# KiCad board RefleXion Grid.kicad_pcb (continued)
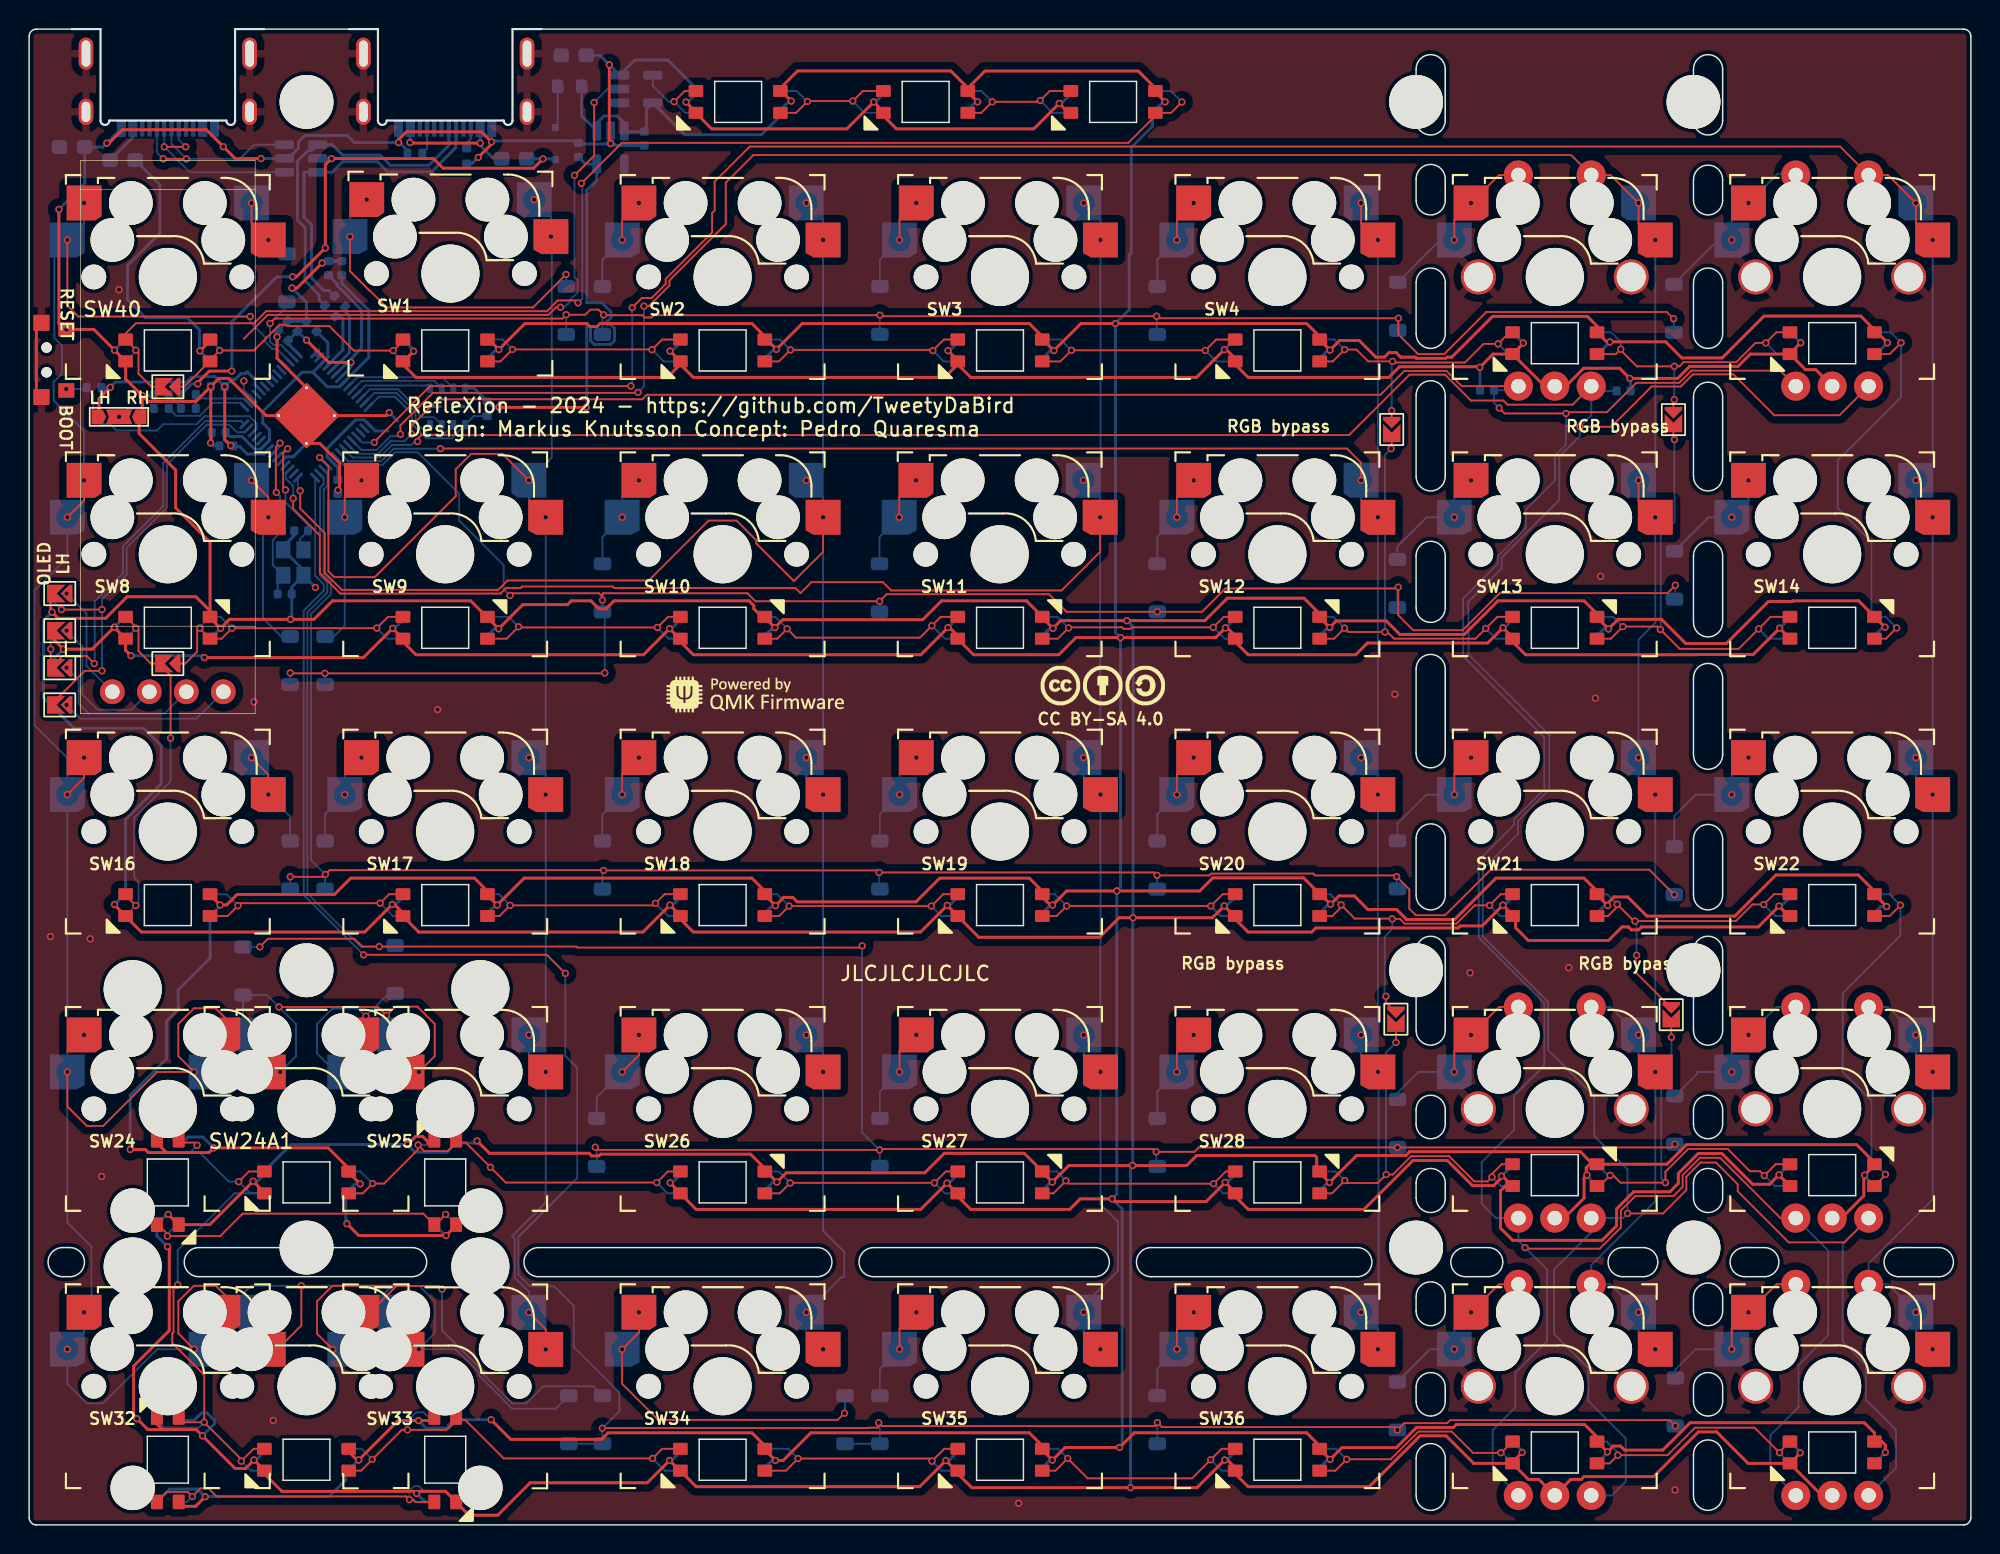
[diagram p0: board, top side]
## Routing (per net, layer and track width the routed paths; a pad name or vN(x,y) marks a point on that pad's centre or on a via; arc(x,y) is an arc through that point) (continued)
Row2: length 134.8
  Top w0.127: v1(112.98,43.29) 111.27,45.01 100.37,45.01 97.24,41.88 95.23,41.88 94.78,42.33 94.78,43.66 v1(93.91,44.53) 93.82,44.62 88.31,44.62 88.19,44.74 81.17,44.74 81.05,44.62 v1(77.46,44.62) 77.26,44.82 v1(58.37,44.82) 58.23,44.96 v1(39.45,44.96) 39.43,44.98 20.63,44.98 v1(20.34,44.69) 20.17,44.52 v1(17.93,44.52)
  Bottom w0.127: D16.1 17.92,44.51 v1(17.93,44.52) ; D21.1 93.91,43.75 v1(93.91,44.53) ; v1(39.45,44.96) 39.38,44.88 D18.1 ; D20.1 77.46,43.69 v1(77.46,44.62) ; U2.12 20.48,72.22 20.48,71.39 20.23,71.13 20.23,65.34 20.73,64.84 20.73,63.95 19.36,62.58 19.36,45.67 v1(20.34,44.69) 20.33,44.67 D17.1 ; D19.1 58.37,43.73 v1(58.37,44.82)
Row3: length 173.1
  Top w0.127: v1(57.21,39.78) 57.09,39.66 37.66,39.66 37.59,39.73 v1(24.04,39.73) 22.87,39.73 22.34,40.26 16.4,40.26 v1(15.84,39.71) ; v1(38.88,25.95) 39.07,25.76 v1(58.4,25.76) 58.46,25.82 77.21,25.82 v1(77.4,25.63) 80.02,25.63 80.32,25.93 v1(93.97,25.93) 112.79,25.93 v1(113.02,26.16)
  Bottom w0.127: v1(38.88,25.95) 38.98,25.86 D26.1 ; U2.13 20.23,71.91 20.23,71.49 19.98,71.24 19.98,65.24 20.48,64.74 20.48,64.06 19.11,62.69 19.11,43.38 22.76,39.73 v1(24.04,39.73) 25.06,39.73 D25.1 ; v1(15.84,39.71) 15.84,39.7 D24.1 ; v1(77.4,25.63) 77.4,24.7 D28.1 ; D27.1 58.43,25.74 v1(58.4,25.76) 57.19,26.97 57.19,39.76 v1(57.21,39.78)
Row4: length 170.9
  Top w0.127: v1(36.82,37.89) 35.55,39.16 v1(22.97,39.16) ; v1(113.05,6.8) 112.65,7.2 97.59,7.2 97.38,6.99 94.43,6.99 v1(93.96,6.52) 93.76,6.72 77.79,6.72 v1(77.48,7.03) 77.48,6.94 77.33,6.79 58.58,6.79 58.35,7.02 v1(58.34,7.02) 58.34,6.76 58.26,6.68 57.67,6.68 57.65,6.66 39.38,6.66 v1(39.36,6.64)
  Bottom w0.127: D36.1 77.47,7.02 v1(77.48,7.03) ; v1(58.34,7.02) 58.43,6.94 D35.1 D34.1 ; U2.14 19.64,65.21 20.23,64.63 20.23,64.16 18.85,62.79 18.85,43.28 v1(22.97,39.16) ; v1(36.82,37.89) 36.82,32.21 37.63,31.4 37.63,23.82 33.6,19.78 33.6,17.2 34.41,16.39 36.05,16.39 37.4,15.04 37.4,12.23 40.53,9.1 40.53,7.81 v1(39.36,6.64) 39.36,5.59 D33.1 37.07,5.58 D32.1
RX: length 13.1
  Top w0.127: v1(10.75,94.67) v1(9.28,94.67)
  Bottom w0.127: v1(10.75,94.67) 10.28,95.15 J2.B6 ; J2.A6 9.28,94.68 v1(9.28,94.67) 11.03,92.92 U3.1
SCL: length 28.7
  Top w0.127: v1(1.48,60.16) JP7.1 2.3,59.69 3.95,59.69 v1(4.47,59.17)
  Bottom w0.127: JP2.1 v1(1.48,60.16) ; v1(4.47,59.17) 4.5,59.2 4.5,63.44 6.45,65.38 6.45,67.23 9.21,69.99 9.21,72.93 12.11,75.83 14.56,75.83 U2.28
SDA: length 31.7
  Top w0.127: v1(5,58.67) 3.82,58.67 JP8.1 ; v1(2.22,62.88) v1(5,62.88)
  Bottom w0.127: JP1.1 1.48,63.62 v1(2.22,62.88) ; U2.27 14.79,75.06 14.27,75.06 13.75,75.58 12.21,75.58 9.46,72.83 9.46,69.88 6.7,67.12 6.7,65.28 5,63.58 v1(5,62.88) v1(5,58.67)
TX: length 13.5
  Top w0.127: v1(9.21,93.84) v1(10.8,93.84)
  Bottom w0.127: J2.A7 9.78,94.87 v1(10.8,93.84) 14.48,93.84 15.46,94.82 U3.3 ; J2.B7 8.78,94.28 v1(9.21,93.84)
Net-(C11-Pad1): length 5
  Bottom w0.127: C11.1 17.07,64.86 Y1.3 16.73,65.94 16.73,67.66 R6.2
Net-(D1-A): length 23
  Top w0.127: v1(22.03,88.5) 22.03,86.12 23.37,84.79 23.4,84.79 24.43,83.76 24.56,83.63 34.6,83.63 v1(36.87,85.9)
  Bottom w0.127: v1(22.03,88.5) 22.03,89.89 v1(23.18,91.04) ; v1(36.87,85.9) 36.88,85.89 D1.2
Net-(D2-A): length 6.8
  Top w0.127: v1(40.73,88.27) 40.73,89.66 v1(41.88,90.81)
  Bottom w0.127: v1(40.73,88.27) 39.38,86.92 D2.2
Net-(D3-A): length 6.8
  Top w0.127: v1(60.93,90.81) 59.78,89.66 v1(59.78,88.27)
  Bottom w0.127: D3.2 58.43,86.92 v1(59.78,88.27)
Net-(D4-A): length 6.8
  Top w0.127: v1(79.97,90.81) 78.83,89.66 v1(78.83,88.27)
  Bottom w0.127: D4.2 77.47,86.92 v1(78.83,88.27)
Net-(D5-A): length 12.1
  Top w0.127: SW5.1 100.95,92.73 v1(99.03,90.81) 97.88,89.66 v1(97.88,88.27)
  Bottom w0.127: v1(97.88,88.27) 96.9,88.27 D5.2
Net-(D6-A): length 12.3
  Bottom w0.127: 121.33,92.81 120.08,92.81 v1(118.08,90.81) 116.93,89.66 v1(116.93,88.27) 116,88.27 D6.2
Net-(D8-A): length 12.5
  Top w0.127: v1(16.43,69.22) 16.43,70.61 v1(15.28,71.76)
  Bottom w0.127: v1(16.43,69.22) 16.06,68.85 16.06,62.29 17.32,61.03 D8.2
Net-(D9-A): length 12.1
  Top w0.127: v1(22.82,71.76) 21.67,70.61 v1(21.67,69.22)
  Bottom w0.127: v1(21.67,69.22) 21.67,61.77 20.93,61.03 D9.2
Net-(D10-A): length 6.8
  Bottom w0.127: D10.2 39.38,67.87 v1(40.73,69.22) 40.73,70.61 v1(41.88,71.76)
Net-(D11-A): length 6.8
  Top w0.127: v1(59.75,69.22) 59.75,70.61 v1(60.9,71.76)
  Bottom w0.127: v1(59.75,69.22) 58.4,67.87 D11.2
Net-(D12-A): length 6.8
  Top w0.127: v1(79.97,71.76) 78.83,70.61 v1(78.83,69.22)
  Bottom w0.127: D12.2 77.47,67.87 v1(78.83,69.22)
Net-(D13-A): length 8.7
  Bottom w0.127: D13.2 93.96,67.21 95.99,69.24 96.02,69.22 v1(97.88,69.22) 97.88,70.61 v1(99.03,71.76)
Net-(D14-A): length 7.9
  Bottom w0.127: v1(118.08,71.76) 118.08,70.37 v1(116.93,69.22) 115.32,69.22 D14.2
Net-(D16-A): length 6.8
  Top w0.127: v1(15.28,52.71) 16.43,51.56 v1(16.43,50.17)
  Bottom w0.127: D16.2 17.92,48.67 v1(16.43,50.17)
Net-(D17-A): length 6.8
  Bottom w0.127: v1(22.83,52.71) 21.68,51.56 v1(21.68,50.17) 20.33,48.82 D17.2
Net-(D18-A): length 6.8
  Top w0.127: v1(41.88,52.71) 40.73,51.56 v1(40.73,50.17)
  Bottom w0.127: v1(40.73,50.17) 39.38,48.82 D18.2
Net-(D19-A): length 6.8
  Bottom w0.127: v1(60.93,52.71) 59.78,51.56 v1(59.78,50.17) 58.43,48.82 D19.2
Net-(D20-A): length 6.8
  Top w0.127: v1(79.97,52.71) 78.83,51.56 v1(78.83,50.17)
  Bottom w0.127: v1(78.83,50.17) 77.47,48.82 D20.2
Net-(D21-A): length 8.9
  Top w0.127: v1(99.03,52.71) 97.88,51.56 v1(97.88,50.17)
  Bottom w0.127: D21.2 93.97,48.19 95.95,50.17 v1(97.88,50.17)
Net-(D22-A): length 9.7
  Bottom w0.127: D22.2 112.98,48.7 114.45,50.17 v1(116.93,50.17) 116.93,51.56 v1(118.08,52.71)
Net-(D24-A): length 27.8
  Top w0.127: v1(17.16,35.58) 23.96,35.58 v1(24.53,35) 25.13,35.6 26.67,35.6 27.85,34.41 27.85,32.2 v1(26.77,31.12)
  Bottom w0.127: v1(24.53,35) 24.22,34.68 24.22,33.66 ; 14.69,33.66 14.69,36.4 D24.2 16.33,36.4 v1(17.16,35.58) 18.33,34.41 18.33,32.2 v1(17.24,31.12)
Net-(D25-A): length 11.9
  Top w0.127: v1(23.12,34.95) 23.41,34.66 23.41,33.66
  Bottom w0.127: 21.04,31.12 19.77,32.39 19.77,34.41 20.84,35.47 22.6,35.47 v1(23.12,34.95) 24.67,36.5 D25.2
Net-(D26-A): length 6.9
  Top w0.127: v1(41.88,33.66) 41.88,32.27 v1(40.73,31.12)
  Bottom w0.127: v1(40.73,31.12) 38.98,29.37 D26.2
Net-(D27-A): length 6.8
  Top w0.127: v1(59.78,31.12) 59.78,32.51 v1(60.93,33.66)
  Bottom w0.127: v1(59.78,31.12) 58.43,29.77 D27.2
Net-(D28-A): length 6.8
  Top w0.127: v1(78.83,31.12) 78.83,32.51 v1(79.97,33.66)
  Bottom w0.127: v1(78.83,31.12) 77.47,29.77 D28.2
Net-(D29-A): length 12
  Top w0.127: v1(97.88,31.12) 97.88,32.51 v1(99.03,33.66) 100.95,35.58 SW29.1
  Bottom w0.127: D29.2 93.97,29.68 95.41,31.12 v1(97.88,31.12)
Net-(D30-A): length 11.7
  Bottom w0.127: D30.2 114.55,30.99 114.55,31.11 114.84,31.11 114.85,31.12 v1(116.93,31.12) 116.93,32.51 v1(118.08,33.66) 120,35.58 SW30.1
Net-(D32-A): length 38.5
  Top w0.127: v1(18.69,16.42) 18.69,13.7 17.06,12.07
  Bottom w0.127: 24.22,14.61 24.22,15.72 24.91,16.41 24.97,16.41 ; 24.97,16.41 26.79,16.41 27.85,15.35 27.85,13.16 v1(26.77,12.07) 29.28,12.07 29.52,11.83 29.53,11.83 30.89,10.47 30.89,10.27 33.17,7.99 36.17,7.99 D32.2 ; 24.97,16.41 24.96,16.42 v1(18.69,16.42) 15.24,16.42 14.69,15.88 14.69,14.61
Net-(D33-A): length 32.4
  Top w0.127: v1(28.35,16.2) 28.14,16.41 25.36,16.41 ; 25.36,16.41 25.23,16.41 23.41,14.6 ; 25.36,16.41 25.35,16.42 20.84,16.42 19.77,15.36 19.77,13.13 v1(20.86,12.05)
  Bottom w0.127: v1(28.35,16.2) 28.35,13.37 31.23,10.49 31.23,10.28 33.17,8.35 34.14,8.35 35.31,9.52 38.73,9.52 D33.2
Net-(D34-A): length 23.1
  Top w0.127: v1(41.88,14.61) 41.88,13.22 v1(40.73,12.07) 40.73,9.69 43.2,7.21 55.53,7.21 v1(55.99,7.68)
  Bottom w0.127: D34.2 56.03,7.71 v1(55.99,7.68)
Net-(D35-A): length 6.8
  Top w0.127: v1(59.78,12.07) 59.78,13.46 v1(60.93,14.61)
  Bottom w0.127: D35.2 58.43,10.72 v1(59.78,12.07)
Net-(D36-A): length 6.8
  Top w0.127: v1(79.97,14.61) 78.83,13.46 v1(78.83,12.07)
  Bottom w0.127: D36.2 77.47,10.72 v1(78.83,12.07)
Net-(D37-A): length 11.9
  Top w0.127: v1(99.03,14.61) 100.95,16.53 SW37.1
  Bottom w0.127: D37.2 96.21,12.07 v1(97.88,12.07) 97.88,13.46 v1(99.03,14.61)
Net-(D38-A): length 12.1
  Top w0.127: SW38.1 120,16.53 v1(118.08,14.61) 116.93,13.46 v1(116.93,12.07)
  Bottom w0.127: v1(116.93,12.07) 114.45,12.07 113.05,10.67 D38.2
Net-(D40-A): length 4.7
  Top w0.127: v1(15.28,90.81) 15.28,89.42 v1(16.43,88.27)
  Bottom w0.127: v1(16.43,88.27) 17.37,87.32 D40.2
Net-(FB1-Pad1): length 8.8
  Top w0.2: v1(26.15,94.96) 26.19,94.92 v1(30.98,94.92)
  Bottom w0.2: v1(26.15,94.96) 26.18,94.98 J1.A4 ; FB1.1 31.91,93.84 30.98,94.78 v1(30.98,94.92) J1.A9
Net-(FB4-Pad1): length 2.8
  Bottom w0.2: J2.A4 7.12,95.32 FB4.1
Net-(J1-CC1): length 1.8
  Bottom w0.127: J1.A5 27.33,94.54 R7.2
Net-(J1-CC2): length 1.5
  Bottom w0.127: J1.B5 30.33,95.2 30.04,94.92 30.04,94.53
Net-(JP1-B): length 8
  Bottom w0.127: OLED1.4 3.94,59.01 3.94,62.61 v1(2.57,63.98)
Net-(JP2-B): length 10.4
  Bottom w0.127: v1(2.57,61.43) 3.66,60.34 3.66,57.04 4.71,55.99 7.02,55.99 OLED1.3
Net-(JP3-B): length 11.1
  Bottom w0.127: OLED1.2 9.3,55.74 4.09,55.74 3.4,56.43 3.4,58.04 v1(2.57,58.88)
Net-(JP4-B): length 11.9
  Bottom w0.127: v1(2.57,56.33) 3.52,55.38 11.48,55.38 OLED1.1
Net-(JP12-C): length 2.6
  Bottom w0.127: v1(6.18,76.12) 6.76,76.7 R12.1
Net-(JP15-A): length 34.7
  Top w0.127: 107.47,60.88 108.62,60.88 v1(109.45,61.71) 111.82,61.71 v1(112.02,61.51) 113.35,60.18 117.4,60.18 v1(118.77,61.55) 119.6,62.38 121.12,62.38 ; v1(112.99,74.55) 112.92,74.62 JP15.1
  Bottom w0.127: 121.12,60.88 119.45,60.88 v1(118.77,61.55) ; 107.47,62.38 108.79,62.38 v1(109.45,61.71) ; v1(112.99,74.55) 112.99,68.91 112.04,67.96 112.04,61.53 v1(112.02,61.51)
Net-(JP15-B): length 22.5
  Top w0.127: LED5.2 108.96,80.43 v1(109.3,80.77) 109.3,80.69 110.4,79.59 v1(112.98,79.59) 113.33,79.59 113.62,79.87 117.24,79.87 118.56,81.2 v1(119.26,81.2) 119.99,81.93 LED6.4 ; JP15.2 112.92,77.24 v1(112.98,77.3)
  Bottom w0.127: v1(119.26,81.2) 120.04,80.43 LED6.4 ; v1(109.3,80.77) 109.3,81.28 108.66,81.93 LED5.2 ; v1(112.98,77.3) v1(112.98,79.59)
Net-(JP16-A): length 32.9
  Top w0.127: 88.43,60.88 89.61,60.88 v1(90.33,61.6) 90.59,61.34 v1(93.11,61.34) 93.28,61.34 93.74,60.88 99.33,60.88 v1(100.03,61.58) 100.83,62.38 102.08,62.38 ; JP16.1 93.57,73.97 v1(93.53,73.93)
  Bottom w0.127: v1(93.53,73.93) 93.11,73.51 v1(93.11,61.34) ; 88.43,62.38 89.56,62.38 v1(90.33,61.6) ; 102.08,60.88 100.74,60.88 v1(100.03,61.58)
Net-(JP16-B): length 22.7
  Top w0.127: 88.43,79.93 89.53,79.93 v1(90.34,80.74) 91.15,80.74 91.96,79.93 v1(93.63,79.93) 93.71,79.85 98.6,79.85 99.88,81.13 v1(100.88,81.13) 101.68,81.93 LED5.4 ; JP16.2 v1(93.57,76.55)
  Bottom w0.127: v1(100.88,81.13) 101.59,80.43 LED5.4 ; v1(93.57,76.55) 93.57,79.87 v1(93.63,79.93) ; v1(90.34,80.74) 89.66,81.43 88.43,81.43
Net-(JP17-A): length 30.2
  Top w0.127: v1(93.87,33.14) 93.86,33.15 JP17.1 ; LED29.2 101.13,24.78 100.46,24.1 v1(100.46,23.9) 100.16,23.6 99.24,23.6 97.52,25.33 94.91,25.33 93.65,24.07 v1(93.19,24.07) 92.61,23.49 90.51,23.49 v1(90.35,23.65) 89.47,22.78 88.43,22.78
  Bottom w0.127: v1(93.19,24.07) 93.18,24.08 93.18,32.45 v1(93.87,33.14) ; v1(100.46,23.9) 101.09,23.28 LED29.2 ; v1(90.35,23.65) 89.73,24.28 88.43,24.28
Net-(JP17-B): length 26.7
  Top w0.127: 102.08,43.33 101.06,43.33 v1(100.29,42.56) 99.27,42.56 98.01,41.3 94.47,41.3 94.14,41.63 v1(93.61,41.63) 93.59,41.65 91.04,41.65 v1(90.1,42.59) 90.25,42.59 89.49,41.83 88.43,41.83 ; v1(93.17,36.31) 93.17,35.89 JP17.2
  Bottom w0.127: v1(100.29,42.56) 101.03,41.83 102.08,41.83 ; v1(93.61,41.63) 93.61,40.93 93.09,40.4 93.09,36.39 v1(93.17,36.31) ; v1(90.1,42.59) 89.37,43.33 88.43,43.33
Net-(JP18-A): length 30.8
  Top w0.127: LED29.4 107.84,23.28 v1(108.57,24.01) 108.79,24.01 109.29,23.51 v1(112.37,23.51) 112.37,24.26 113.94,25.83 116.64,25.83 118.17,24.3 118.86,24.3 v1(119.16,24) 119.94,24.78 LED30.2 ; v1(112.78,33.5) 112.77,33.51 JP18.1
  Bottom w0.127: v1(119.16,24) 119.89,23.28 LED30.2 ; v1(108.57,24.01) 108.44,24.01 LED29.4 ; v1(112.78,33.5) 112.78,30.92 112.09,30.23 112.09,23.79 v1(112.37,23.51)
Net-(JP18-B): length 26.6
  Top w0.127: JP18.2 110.34,37.94 110.34,39.08 v1(110.39,39.13) ; 121.12,43.33 119.83,43.33 v1(119.12,42.62) 118.34,42.62 117.2,41.48 v1(110.28,41.48) 110.21,41.48 v1(109.05,42.64) 109.05,42.45 108.43,41.83 107.47,41.83
  Bottom w0.127: v1(110.28,41.48) 110.39,41.37 v1(110.39,39.13) ; v1(119.12,42.62) 119.92,41.83 121.12,41.83 ; 107.47,43.33 108.37,43.33 v1(109.05,42.64)
Net-(JP19-A): length 92.5
  Top w0.127: v1(37.7,83.95) 37.54,84.11 36.3,84.11 35.56,83.37 16.28,83.37 15.45,82.54 7.33,82.54 6.62,81.84 LED40.4 7.51,80.54 7.51,79.07 8.4,78.19 JP19.1 ; v1(79.16,97.74) 78.43,97 77.14,97 77.14,96.59 75.49,94.94 40.7,94.94 v1(37.92,92.16)
  Bottom w0.127: v1(79.16,97.74) 78.4,98.5 77.14,98.5 ; v1(37.92,92.16) 37.99,92.09 37.99,84.23 v1(37.7,83.95) ; v1(7.33,80.7) 7.33,80.63 LED40.4
Net-(JP19-B): length 20.7
  Top w0.127: LED40.2 12.43,80.02 v1(13.08,80.68) 15.44,80.68 17.21,82.45 17.6,82.45 17.69,82.36 20.61,82.36 22.3,80.67 v1(25,80.67) 25.68,81.34 LED1.4 ; 12.43,80 12.43,79.96 10.65,78.19 JP19.2
  Bottom w0.127: LED40.2 13.08,80.77 v1(13.08,80.68) ; LED1.4 25,80.6 v1(25,80.67)
Net-(JP20-A): length 25.8
  Top w0.127: LED16.4 6.62,43.25 v1(7.33,42.55) ; v1(9.71,54.05) 9.71,58.36 JP20.1 8.37,59.17 7.51,60.02 7.51,61.47 7.41,61.57 7.35,61.57 v1(7.33,61.6) 7.33,61.68 LED8.2
  Bottom w0.127: v1(9.71,54.05) 9.71,51.08 7.21,48.58 7.21,44.47 7.51,44.17 7.51,42.74 v1(7.33,42.55) 6.62,41.85 LED16.4 ; LED8.2 7.33,61.58 v1(7.33,61.6)
Net-(JP20-B): length 23.9
  Top w0.127: JP20.2 10.72,59.17 11.54,59.99 11.54,61.42 v1(11.73,61.61) 11.73,61.58 LED8.4 13.21,60.88 v1(13.93,61.6) 23.86,61.6 v1(23.87,61.61) 24.64,62.38 25.88,62.38
  Bottom w0.127: v1(13.93,61.6) 13.16,62.38 LED8.4 11.73,61.68 v1(11.73,61.61) ; v1(23.87,61.61) 24.61,60.88 25.88,60.88
Net-(LED1-DOUT): length 19
  Top w0.127: 31.28,79.93 32.37,79.93 v1(33.19,80.75) 42.75,80.75 v1(42.77,80.73) 43.47,81.43 44.93,81.43
  Bottom w0.127: v1(42.77,80.73) 43.58,79.93 44.93,79.93 ; v1(33.19,80.75) 32.52,81.43 31.28,81.43
Net-(LED2-DOUT): length 18.8
  Top w0.127: 63.97,81.43 62.82,81.43 v1(62.06,80.67) 62.01,80.72 v1(52.28,80.72) 51.49,79.93 50.33,79.93
  Bottom w0.127: v1(62.06,80.67) 62.81,79.93 63.97,79.93 ; 50.33,81.43 51.58,81.43 v1(52.28,80.72)
Net-(LED3-DOUT): length 19.4
  Top w0.127: 83.03,81.43 81.52,81.43 v1(80.77,80.68) 80.76,80.69 v1(71.58,80.69) 70.82,79.93 69.38,79.93
  Bottom w0.127: v1(71.58,80.69) 70.85,81.43 69.38,81.43 ; v1(80.77,80.68) 81.53,79.93 83.03,79.93
Net-(LED10-DIN): length 19.2
  Top w0.127: 50.33,60.88 51.37,60.88 v1(52.05,61.56) 52.66,60.95 61.17,60.95 v1(61.99,61.77) 62.6,62.38 63.97,62.38
  Bottom w0.127: v1(61.99,61.77) 62.89,60.88 63.97,60.88 ; v1(52.05,61.56) 51.24,62.38 50.33,62.38
Net-(LED10-DOUT): length 19
  Top w0.127: 31.28,60.88 32.79,60.88 v1(33.61,61.7) 33.66,61.65 v1(43.14,61.65) 43.87,62.38 44.93,62.38
  Bottom w0.127: 31.28,62.38 32.94,62.38 v1(33.61,61.7) ; v1(43.14,61.65) 43.92,60.88 44.93,60.88
Net-(LED11-DIN): length 18.7
  Top w0.127: 83.03,62.38 82.04,62.38 v1(81.32,61.66) 75.73,61.66 75.63,61.55 75.16,61.55 75.06,61.66 71.42,61.66 v1(71.38,61.62) 70.64,60.88 69.38,60.88
  Bottom w0.127: 69.38,62.38 70.63,62.38 v1(71.38,61.62) ; 83.03,60.88 82.11,60.88 v1(81.32,61.66)
Net-(LED14-DIN): length 30
  Top w0.127: 126.53,60.88 127.51,60.88 v1(128.25,61.62) ; LED6.2 127.77,80.43 v1(128.55,81.21)
  Bottom w0.127: v1(128.25,61.62) 127.5,62.38 126.53,62.38 126.53,67.53 124.19,69.86 124.19,73.11 128.55,77.47 v1(128.55,81.21) 127.84,81.93 LED6.2
Net-(LED16-DOUT): length 18.5
  Top w0.127: LED16.2 13.63,41.83 v1(14.34,42.54) 14.51,42.71 v1(24.1,42.71) 24.72,43.33 25.88,43.33
  Bottom w0.127: LED16.2 13.56,43.33 v1(14.34,42.54) ; v1(24.1,42.71) 24.99,41.83 25.88,41.83
Net-(LED17-DOUT): length 18.6
  Top w0.127: 44.93,43.33 43.64,43.33 v1(43.01,42.7) 42.87,42.56 v1(33.03,42.56) 32.3,41.83 31.28,41.83
  Bottom w0.127: v1(43.01,42.7) 43.89,41.83 44.93,41.83 ; 31.28,43.33 32.27,43.33 v1(33.03,42.56)
Net-(LED18-DOUT): length 18.8
  Top w0.127: 63.97,43.33 62.78,43.33 v1(61.96,42.51) v1(52.19,42.51) 51.51,41.83 50.33,41.83
  Bottom w0.127: 50.33,43.33 51.38,43.33 v1(52.19,42.51) ; v1(61.96,42.51) 62.65,41.83 63.97,41.83
Net-(LED19-DOUT): length 18.6
  Top w0.127: 69.38,41.83 70.56,41.83 v1(71.25,42.52) 81.14,42.52 v1(81.15,42.51) 81.97,43.33 83.03,43.33
  Bottom w0.127: 69.38,43.33 70.45,43.33 v1(71.25,42.52) ; v1(81.15,42.51) 81.84,41.83 83.03,41.83
Net-(LED22-DOUT): length 27.1
  Top w0.127: v1(128.51,42.57) 127.77,41.83 126.53,41.83 ; LED30.4 127.48,24.03 v1(127.48,24.08)
  Bottom w0.127: v1(127.48,24.08) 126.79,24.78 LED30.4 126.53,24.98 126.53,29.15 124.55,31.12 124.55,36.53 128.51,40.5 v1(128.51,42.57) 127.76,43.33 126.53,43.33
Net-(LED24-DIN): length 23.7
  Top w0.127: LED24.4 8.86,20.63 9.57,19.91 v1(9.49,19.84) 13.13,19.84 14.66,21.38 27.07,21.38 LED25.2 27.9,20.63 v1(28.6,21.33)
  Bottom w0.127: LED24.4 10.15,20.63 9.49,19.97 v1(9.49,19.84) ; LED25.2 28.62,21.33 v1(28.6,21.33)
Net-(LED24-DOUT): length 47.8
  Top w0.127: v1(12.02,7.05) 12.02,10.3 9.83,12.49 9.83,13.15 9.91,13.23 9.91,16.2 v1(10.2,16.49) ; v1(12.02,7.05) 14.56,4.51 v1(14.56,4.38) 15.41,5.23 16.35,5.23 ; v1(12.02,7.05) 10.44,7.05 10.28,7.21 ; v1(14.39,23.58) 15.09,24.28 16.35,24.28 ; 10.28,26.26 11.35,26.26 v1(11.53,26.08)
  Bottom w0.127: v1(12.02,7.05) 11.66,6.68 9.3,6.68 8.78,7.21 ; 16.35,3.73 15.22,3.73 v1(14.56,4.38) ; 10.56,25.54 11.75,25.54 13.71,23.58 v1(14.39,23.58) 15.2,22.78 16.35,22.78 14.12,22.78 10.2,18.86 v1(10.2,16.49) ; 10.56,25.54 9.5,25.54 8.78,26.26 ; 10.56,25.54 11,25.54 v1(11.53,26.08)
Net-(LED24A1-DOUT): length 32.1
  Top w0.127: 44.93,24.28 43.86,24.28 v1(43.1,23.52) 32.73,23.52 v1(31.68,24.57) 29.99,26.26 29.33,26.26 28.74,25.68 27.13,25.68 v1(26.71,26.1) 26.71,25.79 24.37,23.45 v1(23.58,23.45) 22.91,22.78 21.75,22.78
  Bottom w0.127: v1(43.1,23.52) 43.85,22.78 44.93,22.78 ; v1(23.58,23.45) 22.76,24.28 21.75,24.28 ; v1(26.71,26.1) 27.66,26.1 27.83,26.26
Net-(LED26-DIN): length 18.6
  Top w0.127: 50.33,22.78 51.55,22.78 v1(52.26,23.49) 52.27,23.5 v1(62.17,23.5) 62.95,24.28 63.97,24.28
  Bottom w0.127: v1(52.26,23.49) 51.48,24.28 50.33,24.28 ; v1(62.17,23.5) 62.9,22.78 63.97,22.78
Net-(LED27-DIN): length 18.5
  Top w0.127: 83.03,24.28 82.18,24.28 v1(81.34,23.44) 71.4,23.44 v1(71.2,23.64) 70.34,22.78 69.38,22.78
  Bottom w0.127: 69.38,24.28 70.57,24.28 v1(71.2,23.64) ; 83.03,22.78 82.01,22.78 v1(81.34,23.44)
Net-(LED32-DOUT): length 25.6
  Top w0.127: LED33.4 26.54,1.58 26.38,1.74 v1(26.12,1.74) 25.9,1.96 12.87,1.96 12.33,2.5 11.76,2.5 v1(11.21,1.95) 10.89,2.27 9.47,2.27 LED32.2
  Bottom w0.127: v1(11.21,1.95) 10.83,1.58 LED32.2 ; LED33.4 28.62,2.28 27.15,2.28 26.76,2.67 26.46,2.67 26.12,2.33 v1(26.12,1.74)
Net-(LED32A1-DOUT): length 33.5
  Top w0.127: 44.93,5.23 43.47,5.23 v1(42.81,4.57) 32.59,4.57 29.96,7.2 29.33,7.2 28.65,6.53 v1(25.98,6.53) 25.59,6.53 v1(23.56,4.5) 22.79,3.73 21.75,3.73
  Bottom w0.127: 27.83,7.2 27.62,7.2 27.09,7.73 26.58,7.73 25.98,7.14 v1(25.98,6.53) ; v1(42.81,4.57) 43.66,3.73 44.93,3.73 ; v1(23.56,4.5) 22.84,5.23 21.75,5.23
Net-(LED34-DOUT): length 19.4
  Top w0.127: 63.97,5.23 62.85,5.23 v1(62,4.38) 61.82,4.56 v1(52.8,4.56) 51.97,3.73 50.33,3.73
  Bottom w0.127: v1(62,4.38) 62.66,3.73 63.97,3.73 ; v1(52.8,4.56) 52.14,5.23 50.33,5.23
Net-(LED35-DOUT): length 19.8
  Top w0.127: 69.38,3.73 70.48,3.73 v1(71.32,4.57) 72.69,3.2 79.86,3.2 v1(81.14,4.48) 81.89,5.23 83.03,5.23
  Bottom w0.127: v1(71.32,4.57) 70.67,5.23 69.38,5.23 ; v1(81.14,4.48) 81.9,3.73 83.03,3.73
Net-(LED36-DOUT): length 19
  Top w0.127: 88.43,3.73 89.7,3.73 v1(90.48,4.51) 93.5,4.51 95.4,6.41 97.7,6.41 99.16,4.95 101.06,4.95 101.07,4.96 v1(101.07,4.96) 101.07,4.96 101.18,5.07 101.22,5.07 LED37.4
  Bottom w0.127: LED37.4 101.14,4.96 v1(101.07,4.96) ; 88.43,5.23 89.77,5.23 v1(90.48,4.51)
Net-(LED37-DOUT): length 18.3
  Top w0.127: LED37.2 108.54,4.23 v1(109.1,4.79) 112.52,4.79 114.4,6.68 118.49,6.68 v1(120.21,4.96) 120.21,5.01 LED38.4
  Bottom w0.127: v1(120.21,4.96) 120.21,4.94 LED38.4 ; LED37.2 108.34,5.73 109.1,4.96 v1(109.1,4.79)
Net-(LED44-DOUT): length 13.1
  Top w0.127: 58.87,98.5 57.26,98.5 v1(56.56,97.81) 53.47,97.81 v1(53.44,97.78) 52.67,97 51.39,97
  Bottom w0.127: v1(56.56,97.81) 57.37,97 58.87,97 ; v1(53.44,97.78) 52.72,98.5 51.39,98.5
Net-(LED45-DOUT): length 12.9
  Top w0.127: 64.27,97 65.39,97 v1(66.14,97.76) 69.34,97.76 v1(69.43,97.85) 70.09,98.5 71.74,98.5
  Bottom w0.127: v1(69.43,97.85) 70.28,97 71.74,97 ; 64.27,98.5 65.4,98.5 v1(66.14,97.76)
Net-(R10-Pad2): length 1.3
  Bottom w0.127: R10.2 10.42,76.8 R11.1
Net-(U1-CLK): length 6.6
  Bottom w0.127: U2.52 22.85,78.59 27.82,78.59 U1.6
Net-(U1-DI(IO0)): length 5.4
  Bottom w0.127: U1.5 27.33,78.27 23.1,78.27 U2.53
Net-(U1-DO(IO1)): length 8.3
  Bottom w0.127: U2.55 23.71,77.75 25.24,77.75 26.53,76.46 26.53,75.74 27.37,74.89 28.46,74.89 U1.2
Net-(U1-IO2): length 7
  Bottom w0.127: U1.3 27.82,76.09 26.97,76.09 26.78,76.28 26.78,76.57 25.34,78.01 23.4,78.01 U2.54
Net-(U1-IO3): length 7.8
  Bottom w0.127: U2.51 22.54,78.84 28.36,78.84 U1.7
Net-(U1-~{CS}): length 10.7
  Bottom w0.127: R5.2 30.53,76.17 U1.1 29,74.64 27.27,74.64 26.28,75.63 26.28,76.34 25.12,77.5 24.03,77.5 U2.56
Net-(U2-RUN): length 16.5
  Bottom w0.127: U2.26 15.62,75.31 15.62,75.66 15.12,76.16 12.05,76.16 11.51,75.62 9.22,75.62 8.78,75.17 6.01,75.17 5.56,75.62 5.04,75.62 4.4,76.26 4.4,77.67 R1.2 3.84,78.03 v1(2.55,78.03)
Net-(U2-XIN): length 9.1
  Top w0.127: v1(17.75,73.93) 17.44,73.62 17.44,71.26 v1(17.61,71.09)
  Bottom w0.127: U2.20 17.63,73.93 v1(17.75,73.93) ; Y1.1 18.59,67.23 18.59,67.72 C10.1 19.16,68.69 17.61,70.25 v1(17.61,71.09)
Net-(U2-XOUT): length 6.2
  Top w0.127: v1(16.98,70.92) 16.94,70.96 16.94,74.04 17.22,74.31 v1(17.23,74.31)
  Bottom w0.127: U2.21 17.27,74.14 17.27,74.27 v1(17.23,74.31) ; v1(16.98,70.92) 17.23,70.67 17.23,69.36 R6.1
Net-(ZD40-K): length 2.9
  Bottom w0.127: F1.1 36.3,96.15 ZD40.1

## Copper pours and planes (outline as drawn; the poured copper is in the pictures)
Earth_Protective on Top, Bottom: 177.07,-18.79 -31.51,-18.79 -31.51,133.61 177.07,133.61

## Text on the board
B.Silkscreen: SET HAND FOR PCB | OLED / RH
F.Silkscreen: BOOT | RESET | LH | RH | RGB bypass | OLED / LH | RefleXion - 2024 - https://github.com/TweetyDaBird / Design: Markus Knutsson Concept: Pedro Quaresma | JLCJLCJLCJLC
